# Altium PCB 整板_大板_one_EDA.PcbDoc (part 3 of 4)
Units mil, origin at the board's own origin, x right, y up, seen from the top; angles counter-clockwise.
Board outline 19488.19 x 7322.83 mil, 2 copper layers (Top Layer, Bottom Layer); 297 components, 275 nets, 1813 pads, 741 vias.
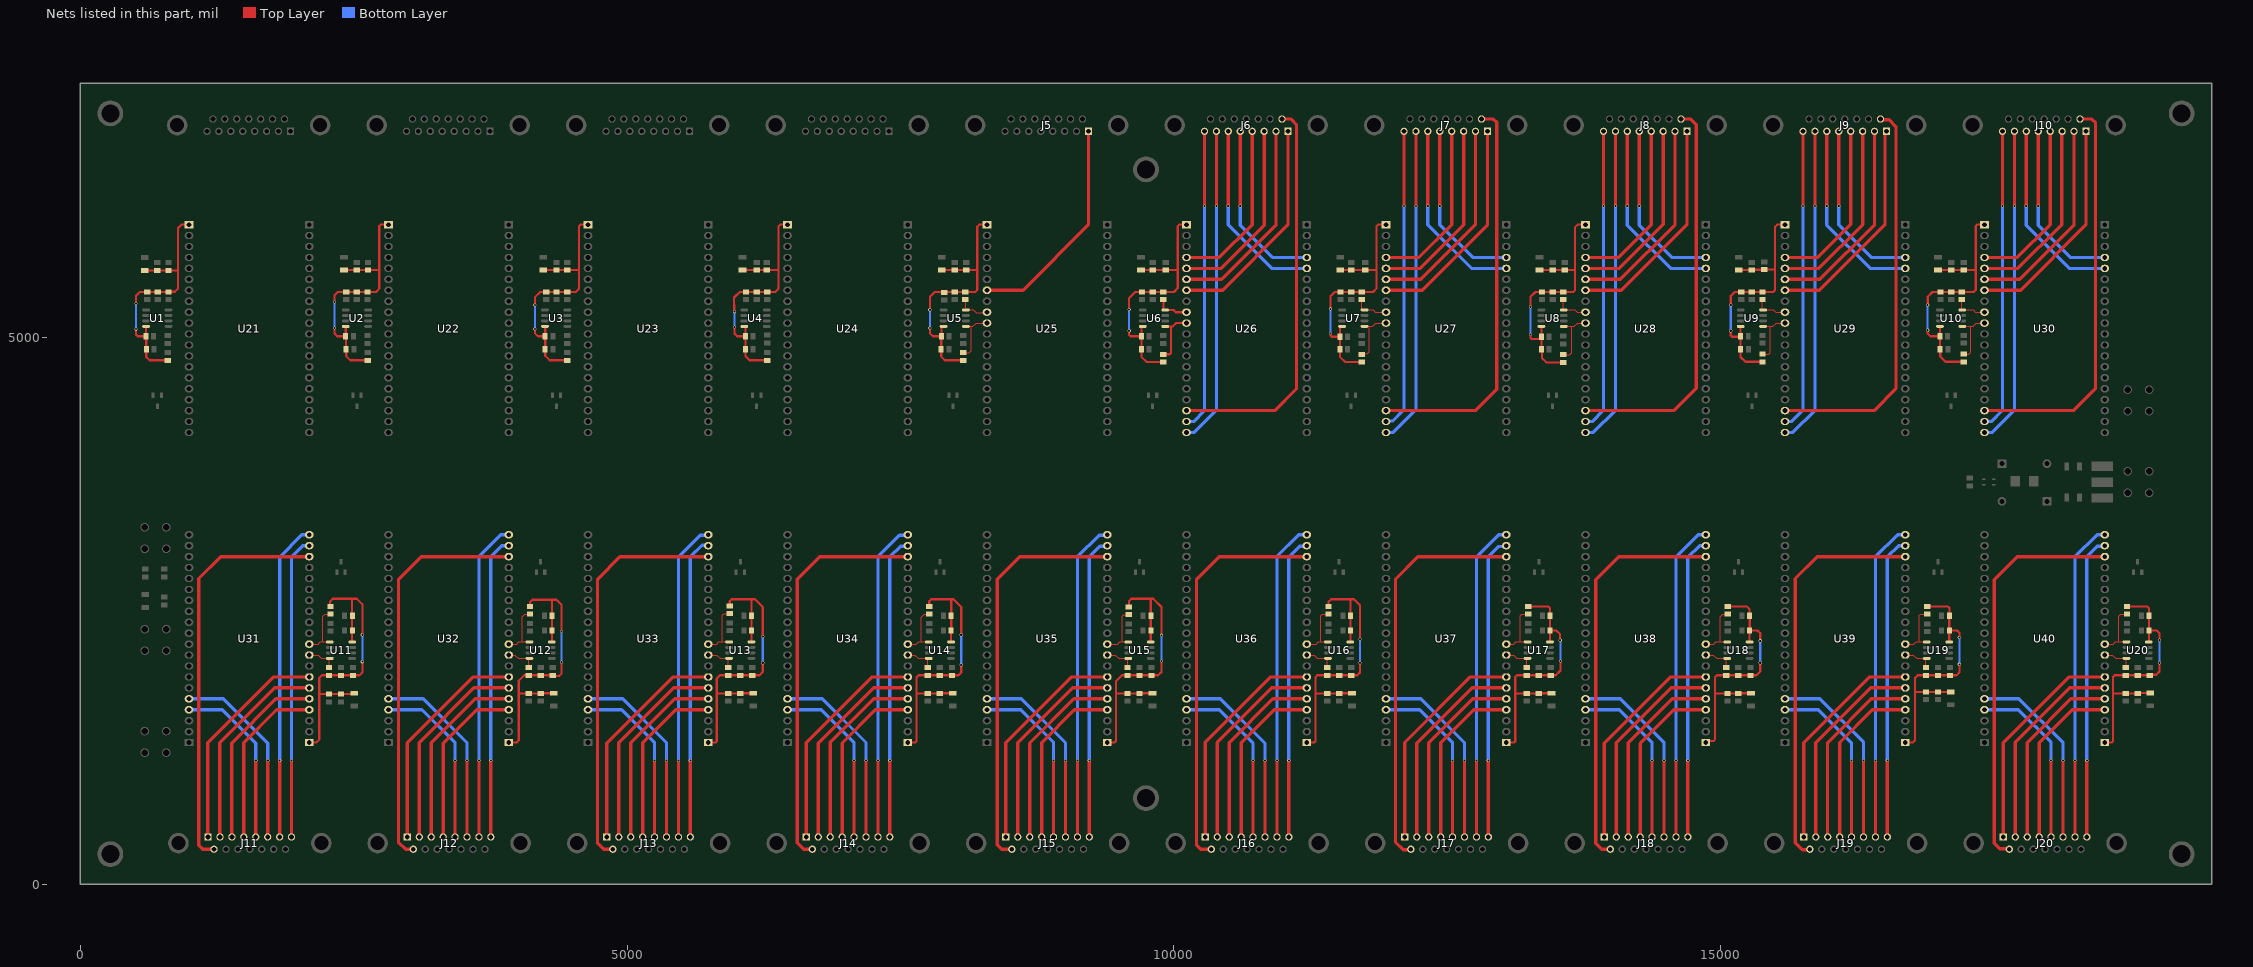
[diagram p3: the nets of this part, all layers, seen from the top]

## Via types
v1: diameter 25, hole 20, Top Layer to Bottom Layer, 458 vias
v2: diameter 30, hole 20, Top Layer to Bottom Layer, 281 vias
v3: diameter 40, hole 25, Top Layer to Bottom Layer, 1 vias
v4: diameter 25, hole 15, Top Layer to Bottom Layer, 1 vias

## Nets (pads, with @x,y where several pads share a name; then routed paths per layer and width w, separated by ;. In a path a pad name is that pad's centre, name@x,y a point inside that pad or via, vN(x,y) a via of type N, cw(c..) or ccw(c..) an arc to the next point about the centre after c; other vN are vias at no path point) (continued)
U5_P9: J5.1 U25.7 | length 2030.4
  Top Layer w30: U25.7@8290.56,5430 8620,5430 9218.14,6028.14 J5.1@9218.14,6883.19
U5_RX: R15.1 U5.1 U25.10 | length 525.7
  Top Layer w10: R15.1@8072.11,4860.04 8129.96,4860.04 8145,4875.08 8145,5100 ; U5.1@8081.36,5100 8145,5100 ; U25.10@8290.56,5130 8190,5130 8160,5100 8145,5100
U5_TX: R13.1 U5.4 U25.9 | length 310.8
  Top Layer w10: R13.1@8076.11,5344.96 8095,5326.07 U5.4@8095,5263.64 ; U5.4@8081.36,5250 U5.4@8097.99,5250 8165,5250 8190,5225 8285.56,5225 U25.9@8290.56,5230
U6_P1: J6.9 U26.18 | length 3656.6
  Top Layer w30: U26.18@10114.44,4330 10920,4330 11120,4530 11120,6945 11070,6995 J6.9@10987.5,6995
U6_P2: J6.8 U26.19 | length 2759.6
  Top Layer w30: v2(10278.64,6200.92) J6.8@10278.64,6883.19
  Bottom Layer w30: U26.19@10114.44,4230 10180,4230 10278.64,4328.64 v2(10278.64,6200.92)
U6_P3: J6.7 U26.20 | length 2907.7
  Top Layer w30: v2(10387.7,6200.92) J6.7@10387.7,6883.19
  Bottom Layer w30: U26.20@10114.44,4130 10185,4130 10387.7,4332.7 v2(10387.7,6200.92)
U6_P4: J6.6 U26.36 | length 1737.6
  Top Layer w30: v2(10496.75,6200.92) J6.6@10496.75,6883.19
  Bottom Layer w30: v2(10496.75,6200.92) 10496.75,6028.25 10895,5630 U26.36@11214.44,5630
U6_P5: J6.5 U26.37 | length 1589.5
  Top Layer w30: v2(10605.81,6200.92) J6.5@10605.81,6883.19
  Bottom Layer w30: v2(10605.81,6200.92) 10605.81,6024.19 10900,5730 U26.37@11214.44,5730
U6_P6: J6.4 U26.4 | length 1578
  Top Layer w30: U26.4@10114.44,5730 10415,5730 10714.86,6029.86 J6.4@10714.86,6883.19
U6_P7: J6.3 U26.5 | length 1731.9
  Top Layer w30: U26.5@10114.44,5630 10430,5630 10823.92,6023.92 J6.3@10823.92,6883.19
U6_P8: J6.2 U26.6 | length 1880
  Top Layer w30: U26.6@10114.44,5530 10435,5530 10932.97,6027.97 J6.2@10932.97,6883.19
U6_P9: J6.1 U26.7 | length 2031
  Top Layer w30: U26.7@10114.44,5430 10445,5430 11042.03,6027.03 J6.1@11042.03,6883.19
U6_RX: R28.1 U6.1 U26.10 | length 539.4
  Top Layer w20: R28.1@9902.11,4845.04 9961.05,4845.04 9972.76,4856.76 9972.76,5097.24 9970,5100 ; U6.1@9907.36,5100 U6.1@9919.86,5100 9970,5100 ; U26.10@10114.44,5130 10020,5130 9990,5100 9970,5100
U6_TX: R26.1 U6.4 U26.9 | length 312.5
  Top Layer w20: R26.1@9902.11,5344.96 9904.74,5342.33 9904.74,5252.63 9907.36,5250 9995,5250 10015,5230 U26.9@10114.44,5230
U7_P1: J7.9 U27.18 | length 3683.5
  Top Layer w30: U27.18@11938.33,4330 12755,4330 12950,4525 12950,6965 12920,6995 J7.9@12811.39,6995
U7_P2: J7.8 U27.19 | length 2754.4
  Top Layer w30: v2(12102.53,6200.92) J7.8@12102.53,6883.19
  Bottom Layer w30: U27.19@11938.33,4230 11943.33,4235 12000,4235 12102.53,4337.53 v2(12102.53,6200.92)
U7_P3: J7.7 U27.20 | length 2905.4
  Top Layer w30: v2(12211.59,6200.92) J7.7@12211.59,6883.19
  Bottom Layer w30: U27.20@11938.33,4130 12005,4130 12211.59,4336.59 v2(12211.59,6200.92)
U7_P4: J7.6 U27.36 | length 1736.9
  Top Layer w30: v2(12320.64,6200.92) J7.6@12320.64,6883.19
  Bottom Layer w30: v2(12320.64,6200.92) 12320.64,6029.36 12720,5630 U27.36@13038.33,5630
U7_P5: J7.5 U27.37 | length 1585.9
  Top Layer w30: v2(12429.7,6200.92) J7.5@12429.7,6883.19
  Bottom Layer w30: v2(12429.7,6200.92) 12429.7,6030.3 12730,5730 U27.37@13038.33,5730
U7_P6: J7.4 U27.4 | length 1578.6
  Top Layer w30: U27.4@11938.33,5730 12240,5730 12538.75,6028.75 J7.4@12538.75,6883.19
U7_P7: J7.3 U27.5 | length 1729.6
  Top Layer w30: U27.5@11938.33,5630 12250,5630 12647.81,6027.81 J7.3@12647.81,6883.19
U7_P8: J7.2 U27.6 | length 1877.7
  Top Layer w30: U27.6@11938.33,5530 12255,5530 12756.86,6031.86 J7.2@12756.86,6883.19
U7_P9: J7.1 U27.7 | length 2031.7
  Top Layer w30: U27.7@11938.33,5430 12270,5430 12865.92,6025.92 J7.1@12865.92,6883.19
U7_RX: R31.1 U7.1 U27.10 | length 538.7
  Top Layer w10: R31.1@11717.11,4845.04 11722.07,4850 11765,4850 11785,4870 11785,5095 11790,5100 ; U7.1@11722.36,5100 U7.1@11741.74,5100 11790,5100 ; U27.10@11938.33,5130 11845,5130 11815,5100 11790,5100
U7_TX: R29.1 U7.4 U27.9 | length 324.3
  Top Layer w10: R29.1@11717.11,5344.96 11717.11,5250.25 11819.75,5250.25 11840,5230 U27.9@11938.33,5230
U8_P1: J8.9 U28.18 | length 3668.1
  Top Layer w30: U28.18@13762.22,4330 14570,4330 14775,4535 14775,6945 14725,6995 J8.9@14635.28,6995
U8_P2: J8.8 U28.19 | length 2758
  Top Layer w30: v2(13926.42,6200.92) J8.8@13926.42,6883.19
  Bottom Layer w30: U28.19@13762.22,4230 13825,4230 13926.42,4331.42 v2(13926.42,6200.92)
U8_P3: J8.7 U28.20 | length 2909
  Top Layer w30: v2(14035.47,6200.92) J8.7@14035.47,6883.19
  Bottom Layer w30: U28.20@13762.22,4130 13835,4130 14035.47,4330.47 v2(14035.47,6200.92)
U8_P4: J8.6 U28.36 | length 1739.2
  Top Layer w30: v2(14144.53,6200.92) J8.6@14144.53,6883.19
  Bottom Layer w30: v2(14144.53,6200.92) 14144.53,6025.47 14540,5630 U28.36@14862.22,5630
U8_P5: J8.5 U28.37 | length 1588.2
  Top Layer w30: v2(14253.58,6200.92) J8.5@14253.58,6883.19
  Bottom Layer w30: v2(14253.58,6200.92) 14253.58,6026.42 14550,5730 U28.37@14862.22,5730
U8_P6: J8.4 U28.4 | length 1579.3
  Top Layer w30: U28.4@13762.22,5730 14065,5730 14362.64,6027.64 J8.4@14362.64,6883.19
U8_P7: J8.3 U28.5 | length 1727.4
  Top Layer w30: U28.5@13762.22,5630 14070,5630 14471.69,6031.69 J8.3@14471.69,6883.19
U8_P8: J8.2 U28.6 | length 1878.4
  Top Layer w30: U28.6@13762.22,5530 14080,5530 14580.75,6030.75 J8.2@14580.75,6883.19
U8_P9: J8.1 U28.7 | length 2029.4
  Top Layer w30: U28.7@13762.22,5430 14090,5430 14689.81,6029.81 J8.1@14689.81,6883.19
U8_RX: R34.1 U8.1 U28.10 | length 535.5
  Top Layer w10: R34.1@13558.36,4841.06 13616.06,4841.06 13635,4860 13635,5100 ; U8.1@13563.61,5100 13635,5100 ; U28.10@13762.22,5130 13690,5130 13660,5100 13635,5100
U8_TX: R32.1 U8.4 U28.9 | length 304
  Top Layer w10: R32.1@13558.36,5344.96 13558.36,5255.25 U8.4@13563.61,5250 13665,5250 13685,5230 U28.9@13762.22,5230
U9_P1: J9.9 U29.18 | length 3661.6
  Top Layer w30: U29.18@15586.11,4330 16400,4330 16600,4530 16600,6925 16536.99,6988.01 16466.16,6988.01 J9.9@16459.17,6995
U9_P2: J9.8 U29.19 | length 2755.7
  Top Layer w30: v2(15750.31,6200.92) J9.8@15750.31,6883.19
  Bottom Layer w30: U29.19@15586.11,4230 15645,4230 15750.31,4335.31 v2(15750.31,6200.92)
U9_P3: J9.7 U29.20 | length 2908.9
  Top Layer w30: v2(15859.36,6200.92) J9.7@15859.36,6883.19
  Bottom Layer w30: U29.20@15586.11,4130 15658.73,4130 15859.36,4330.64 v2(15859.36,6200.92)
U9_P4: J9.6 U29.36 | length 1738.6
  Top Layer w30: v2(15968.42,6200.92) J9.6@15968.42,6883.19
  Bottom Layer w30: v2(15968.42,6200.92) 15968.42,6026.58 16365,5630 U29.36@16686.11,5630
U9_P5: J9.5 U29.37 | length 1587.5
  Top Layer w30: v2(16077.47,6200.92) J9.5@16077.47,6883.19
  Bottom Layer w30: v2(16077.47,6200.92) 16077.47,6027.53 16375,5730 U29.37@16686.11,5730
U9_P6: J9.4 U29.4 | length 1577
  Top Layer w30: U29.4@15586.11,5730 15885,5730 16186.53,6031.53 J9.4@16186.53,6883.19
U9_P7: J9.3 U29.5 | length 1728
  Top Layer w30: U29.5@15586.11,5630 15895,5630 16295.58,6030.58 J9.3@16295.58,6883.19
U9_P8: J9.2 U29.6 | length 1879
  Top Layer w30: U29.6@15586.11,5530 15905,5530 16404.64,6029.64 J9.2@16404.64,6883.19
U9_P9: J9.1 U29.7 | length 2021.3
  Top Layer w30: U29.7@15586.11,5430 15900,5430 16500,6030 16500,6869.49 J9.1@16513.69,6883.19
U9_RX: R37.1 U9.1 U29.10 | length 528.6
  Top Layer w10: R37.1@15380.24,4846.06 15436.06,4846.06 15450,4860 15450,5100 ; U9.1@15385.49,5100 15450,5100 ; U29.10@15586.11,5130 15505,5130 15475,5100 15450,5100
U9_TX: R35.1 U9.4 U29.9 | length 306
  Top Layer w10: R35.1@15380.24,5344.96 15380.24,5255.25 U9.4@15385.49,5250 15480,5250 15500,5230 U29.9@15586.11,5230
U10_P1: J10.9 U30.18 | length 3681.4
  Top Layer w30: U30.18@17410,4330 18220,4330 18425,4535 18425,6960 18390,6995 J10.9@18283.06,6995
U10_P2: J10.8 U30.19 | length 2758.3
  Top Layer w30: v2(17574.2,6200.92) J10.8@17574.2,6883.19
  Bottom Layer w30: U30.19@17410,4230 17473.39,4230 17574.2,4330.8 v2(17574.2,6200.92)
U10_P3: J10.7 U30.20 | length 2907.4
  Top Layer w30: v2(17683.25,6200.92) J10.7@17683.25,6883.19
  Bottom Layer w30: U30.20@17410,4130 17480,4130 17683.25,4333.25 v2(17683.25,6200.92)
U10_P4: J10.6 U30.36 | length 1740.8
  Top Layer w30: v2(17792.31,6200.92) J10.6@17792.31,6883.19
  Bottom Layer w30: v2(17792.31,6200.92) 17792.31,6022.69 18185,5630 U30.36@18510,5630
U10_P5: J10.5 U30.37 | length 1589.8
  Top Layer w30: v2(17901.36,6200.92) J10.5@17901.36,6883.19
  Bottom Layer w30: v2(17901.36,6200.92) 17901.36,6023.64 18195,5730 U30.37@18510,5730
U10_P6: J10.4 U30.4 | length 1577.6
  Top Layer w30: U30.4@17410,5730 17710,5730 18010.42,6030.42 J10.4@18010.42,6883.19
U10_P7: J10.3 U30.5 | length 1725.7
  Top Layer w30: U30.5@17410,5630 17715,5630 18115,6030 18115,6878.72 J10.3@18119.47,6883.19
U10_P8: J10.2 U30.6 | length 1879.7
  Top Layer w30: U30.6@17410,5530 17730,5530 18228.53,6028.53 J10.2@18228.53,6883.19
U10_P9: J10.1 U30.7 | length 2030.7
  Top Layer w30: U30.7@17410,5430 17740,5430 18337.58,6027.58 J10.1@18337.58,6883.19
U10_RX: R40.1 U10.1 U30.10 | length 522.9
  Top Layer w10: U10.1@17207.36,5100 17285,5100 ; R40.1@17220,4846.06 17266.06,4846.06 17285,4865 17285,5100 ; U30.10@17410,5130 17335,5130 17305,5100 17285,5100
U10_TX: R38.1 U10.4 U30.9 | length 308.1
  Top Layer w10: R38.1@17202.11,5344.96 17202.11,5255.25 U10.4@17207.36,5250 17305,5250 17325,5230 U30.9@17410,5230
U11_P1: J11.9 U31.18 | length 3684.3
  Top Layer w30: J11.9@1221.94,320 1120,320 1085,355 1085,2795 1285,2995 U31.18@2095,2995
U11_P2: J11.8 U31.19 | length 2765.6
  Top Layer w30: J11.8@1932.64,431.81 v2(1932.64,1130.86)
  Bottom Layer w30: v2(1932.64,1130.86) 1932.64,2992.64 2035,3095 U31.19@2095,3095
U11_P3: J11.7 U31.20 | length 2915.4
  Top Layer w30: J11.7@1823.58,431.81 v2(1823.58,1130.86)
  Bottom Layer w30: v2(1823.58,1130.86) 1823.58,2991.42 2027.16,3195 U31.20@2095,3195
U11_P4: J11.6 U31.36 | length 1745.7
  Top Layer w30: J11.6@1714.53,431.81 v2(1714.53,1130.86)
  Bottom Layer w30: U31.36@995,1695 1310,1695 1714.53,1290.47 v2(1714.53,1130.86)
U11_P5: J11.5 U31.37 | length 1594.7
  Top Layer w30: J11.5@1605.47,431.81 v2(1605.47,1130.86)
  Bottom Layer w30: U31.37@995,1595 1300,1595 1605.47,1289.53 v2(1605.47,1130.86)
U11_P6: J11.4 U31.4 | length 1587.6
  Top Layer w30: J11.4@1494.58,431.81 1494.58,1294.58 1795,1595 U31.4@2095,1595
U11_P7: J11.3 U31.5 | length 1735.7
  Top Layer w30: J11.3@1385.53,431.81 1385.53,1290.53 1790,1695 U31.5@2095,1695
U11_P8: J11.2 U31.6 | length 1886.8
  Top Layer w30: J11.2@1276.47,431.81 1276.47,1291.47 1780,1795 U31.6@2095,1795
U11_P9: J11.1 U31.7 | length 2037.8
  Top Layer w30: J11.1@1167.42,431.81 1167.42,1292.42 1770,1895 U31.7@2095,1895
U11_RX: R53.1 U11.1 U31.10 | length 503.5
  Top Layer w10: U31.10@2095,2195 2175,2195 2195,2215 2220,2215 ; U11.1@2282.64,2215 2220,2215 ; R53.1@2285,2469.92 2241.06,2469.92 2220,2448.86 2220,2215
U11_TX: R51.1 U11.4 U31.9 | length 288.1
  Top Layer w10: U31.9@2095,2095 2175,2095 2205,2065 U11.4@2282.64,2065 2275,2057.36 R51.1@2275,1980.08
U12_P1: J12.9 U32.18 | length 3658.6
  Top Layer w30: J12.9@3045.83,320 2975,320 2910,385 2910,395 2910,2785 3120,2995 U32.18@3918.89,2995
U12_P2: J12.8 U32.19 | length 2768.6
  Top Layer w30: J12.8@3754.69,431.81 v2(3754.69,1130.86)
  Bottom Layer w30: v2(3754.69,1130.86) 3754.69,2994.69 3855,3095 U32.19@3918.89,3095
U12_P3: J12.7 U32.20 | length 2918.9
  Top Layer w30: J12.7@3645.64,431.81 v2(3645.64,1130.86)
  Bottom Layer w30: v2(3645.64,1130.86) 3645.64,2994.36 3846.27,3195 U32.20@3918.89,3195
U12_P4: J12.6 U32.36 | length 1745.6
  Top Layer w30: J12.6@3536.58,431.81 v2(3536.58,1130.86)
  Bottom Layer w30: U32.36@2818.89,1695 3135,1695 3536.58,1293.42 v2(3536.58,1130.86)
U12_P5: J12.5 U32.37 | length 1594.6
  Top Layer w30: J12.5@3427.53,431.81 v2(3427.53,1130.86)
  Bottom Layer w30: U32.37@2818.89,1595 3125,1595 3427.53,1292.47 v2(3427.53,1130.86)
U12_P6: J12.4 U32.4 | length 1584
  Top Layer w30: J12.4@3318.47,431.81 3318.47,1288.47 3625,1595 U32.4@3918.89,1595
U12_P7: J12.3 U32.5 | length 1738
  Top Layer w30: J12.3@3209.42,431.81 3209.42,1294.42 3610,1695 U32.5@3918.89,1695
U12_P8: J12.2 U32.6 | length 1889
  Top Layer w30: J12.2@3100.36,431.81 3100.36,1295.36 3600,1795 U32.6@3918.89,1795
U12_P9: J12.1 U32.7 | length 2037.1
  Top Layer w30: J12.1@2991.31,431.81 2991.31,1291.31 3595,1895 U32.7@3918.89,1895
U12_RX: R56.1 U12.1 U32.10 | length 510.2
  Top Layer w10: U32.10@3918.89,2195 3990,2195 4010,2215 4040,2215 ; U12.1@4107.64,2215 4040,2215 ; R56.1@4112.89,2469.92 4064.92,2469.92 4040,2445 4040,2215
U12_TX: R54.1 U12.4 U32.9 | length 289.3
  Top Layer w10: U32.9@3918.89,2095 3975,2095 4005,2065 U12.4@4107.64,2065 4100,2057.36 R54.1@4100,1980.04
U13_P1: J13.9 U33.18 | length 3675.2
  Top Layer w30: J13.9@4869.72,320 4785,320 4730,375 4730,2790 4935,2995 U33.18@5742.78,2995
U13_P2: J13.8 U33.19 | length 2772.1
  Top Layer w30: J13.8@5578.58,431.81 v2(5578.58,1130.86)
  Bottom Layer w30: v2(5578.58,1130.86) 5578.58,2993.58 5685,3100 5737.78,3100 U33.19@5742.78,3095
U13_P3: J13.7 U33.20 | length 2916.6
  Top Layer w30: J13.7@5469.52,431.81 v2(5469.52,1130.86)
  Bottom Layer w30: v2(5469.52,1130.86) 5469.52,2990.48 5669.05,3190 5737.78,3190 U33.20@5742.78,3195
U13_P4: J13.6 U33.36 | length 1746.3
  Top Layer w30: J13.6@5360.47,431.81 v2(5360.47,1130.86)
  Bottom Layer w30: U33.36@4642.78,1695 4960,1695 5360.47,1294.53 v2(5360.47,1130.86)
U13_P5: J13.5 U33.37 | length 1595.3
  Top Layer w30: J13.5@5251.41,431.81 v2(5251.41,1130.86)
  Bottom Layer w30: U33.37@4642.78,1595 4950,1595 5251.41,1293.59 v2(5251.41,1130.86)
U13_P6: J13.4 U33.4 | length 1586.3
  Top Layer w30: J13.4@5142.36,431.81 5142.36,1292.36 5445,1595 U33.4@5742.78,1595
U13_P7: J13.3 U33.5 | length 1737.4
  Top Layer w30: J13.3@5033.3,431.81 5033.3,1293.3 5435,1695 U33.5@5742.78,1695
U13_P8: J13.2 U33.6 | length 1888.4
  Top Layer w30: J13.2@4924.25,431.81 4924.25,1294.25 5425,1795 U33.6@5742.78,1795
U13_P9: J13.1 U33.7 | length 2036.5
  Top Layer w30: J13.1@4815.19,431.81 4815.19,1290.19 5420,1895 U33.7@5742.78,1895
U13_RX: R59.1 U13.1 U33.10 | length 517.2
  Top Layer w10: U33.10@5742.78,2195 5820,2195 5840,2215 5870,2215 ; U13.1@5932.64,2215 5870,2215 ; R59.1@5937.89,2474.92 5884.92,2474.92 5870,2460 5870,2215
U13_TX: R57.1 U13.4 U33.9 | length 290.4
  Top Layer w10: U33.9@5742.78,2095 5820,2095 5850,2065 U13.4@5932.64,2065 5925,2057.36 R57.1@5925,1980.04
U14_P1: J14.9 U34.18 | length 3670
  Top Layer w30: J14.9@6693.61,320 6615,320 6555,380 6555,2790 6760,2995 U34.18@7566.67,2995
U14_P2: J14.8 U34.19 | length 2767.4
  Top Layer w30: J14.8@7402.47,431.81 v2(7402.47,1130.86)
  Bottom Layer w30: v2(7402.47,1130.86) 7402.47,2992.53 7499.94,3090 7561.67,3090 U34.19@7566.67,3095
U14_P3: J14.7 U34.20 | length 2918.4
  Top Layer w30: J14.7@7293.41,431.81 v2(7293.41,1130.86)
  Bottom Layer w30: v2(7293.41,1130.86) 7293.41,2993.41 7490,3190 7561.67,3190 U34.20@7566.67,3195
U14_P4: J14.6 U34.36 | length 1746.9
  Top Layer w30: J14.6@7184.36,431.81 v2(7184.36,1130.86)
  Bottom Layer w30: U34.36@6466.67,1695 6785,1695 7184.36,1295.64 v2(7184.36,1130.86)
U14_P5: J14.5 U34.37 | length 1595.9
  Top Layer w30: J14.5@7075.3,431.81 v2(7075.3,1130.86)
  Bottom Layer w30: U34.37@6466.67,1595 6775,1595 7075.3,1294.7 v2(7075.3,1130.86)
U14_P6: J14.4 U34.4 | length 1585.7
  Top Layer w30: J14.4@6966.25,431.81 6966.25,1291.25 7270,1595 U34.4@7566.67,1595
U14_P7: J14.3 U34.5 | length 1739.6
  Top Layer w30: J14.3@6857.19,431.81 6857.19,1297.19 7255,1695 U34.5@7566.67,1695
U14_P8: J14.2 U34.6 | length 1884.8
  Top Layer w30: J14.2@6748.14,431.81 6748.14,1288.14 7255,1795 U34.6@7566.67,1795
U14_P9: J14.1 U34.7 | length 2038.8
  Top Layer w30: J14.1@6639.08,431.81 6639.08,1294.08 7240,1895 U34.7@7566.67,1895
U14_RX: R62.1 U14.1 U34.10 | length 510.1
  Top Layer w10: U34.10@7566.67,2195 7645,2195 7665,2215 7690,2215 ; U14.1@7757.64,2215 7690,2215 ; R62.1@7762.89,2469.92 7718.95,2469.92 7690,2440.97 7690,2215
U14_TX: R60.1 U14.4 U34.9 | length 291.5
  Top Layer w10: U34.9@7566.67,2095 7630,2095 7660,2065 U14.4@7757.64,2065 7750,2057.36 R60.1@7750,1980.04
U15_P1: J15.9 U35.18 | length 3669.5
  Top Layer w30: J15.9@8517.5,320 8425,320 8385,360 8385,2790 8590,2995 U35.18@9390.56,2995
U15_P2: J15.8 U35.19 | length 2768
  Top Layer w30: J15.8@9226.36,431.81 v2(9226.36,1130.86)
  Bottom Layer w30: v2(9226.36,1130.86) 9226.36,2993.64 9322.71,3090 9385.56,3090 U35.19@9390.56,3095
U15_P3: J15.7 U35.20 | length 2917.9
  Top Layer w30: J15.7@9117.3,431.81 v2(9117.3,1130.86)
  Bottom Layer w30: v2(9117.3,1130.86) 9117.3,2992.7 9314.6,3190 9385.56,3190 U35.20@9390.56,3195
U15_P4: J15.6 U35.36 | length 1744.7
  Top Layer w30: J15.6@9008.25,431.81 v2(9008.25,1130.86)
  Bottom Layer w30: U35.36@8290.56,1695 8605,1695 9008.25,1291.75 v2(9008.25,1130.86)
U15_P5: J15.5 U35.37 | length 1596.6
  Top Layer w30: J15.5@8899.19,431.81 v2(8899.19,1130.86)
  Bottom Layer w30: U35.37@8290.56,1595 8600,1595 8899.19,1295.81 v2(8899.19,1130.86)
U15_P6: J15.4 U35.4 | length 1588
  Top Layer w30: J15.4@8790.14,431.81 8790.14,1295.14 9090,1595 U35.4@9390.56,1595
U15_P7: J15.3 U35.5 | length 1736.1
  Top Layer w30: J15.3@8681.08,431.81 8681.08,1291.08 9085,1695 U35.5@9390.56,1695
U15_P8: J15.2 U35.6 | length 1887.1
  Top Layer w30: J15.2@8572.03,431.81 8572.03,1292.03 9075,1795 U35.6@9390.56,1795
U15_P9: J15.1 U35.7 | length 2038.1
  Top Layer w30: J15.1@8462.97,431.81 8462.97,1292.97 9065,1895 U35.7@9390.56,1895
U15_RX: R65.1 U15.1 U35.10 | length 504.4
  Top Layer w10: U35.10@9390.56,2195 9485,2195 9505,2215 9525,2215 ; U15.1@9582.64,2215 9525,2215 ; R65.1@9587.89,2464.92 9539.92,2464.92 9525,2450 9525,2215
U15_TX: R63.1 U15.4 U35.9 | length 292.6
  Top Layer w10: U35.9@9390.56,2095 9465,2095 9495,2065 U15.4@9582.64,2065 9575,2057.36 R63.1@9575,1980.04
U16_P1: J16.9 U36.18 | length 3674.4
  Top Layer w30: J16.9@10341.39,320 10245,320 10205,360 10205,2785 10415,2995 U36.18@11214.44,2995
U16_P2: J16.8 U36.19 | length 2765.7
  Top Layer w30: J16.8@11050.25,431.81 v2(11050.25,1130.86)
  Bottom Layer w30: v2(11050.25,1130.86) 11050.25,2989.75 11150.49,3090 11209.44,3090 U36.19@11214.44,3095
U16_P3: J16.7 U36.20 | length 2920
  Top Layer w30: J16.7@10941.19,431.81 v2(10941.19,1130.86)
  Bottom Layer w30: v2(10941.19,1130.86) 10941.19,2996.19 11140,3195 U36.20@11214.44,3195
U16_P4: J16.6 U36.36 | length 1742.4
  Top Layer w30: J16.6@10832.14,431.81 v2(10832.14,1130.86)
  Bottom Layer w30: U36.36@10114.44,1695 10425,1695 10832.14,1287.86 v2(10832.14,1130.86)
U16_P5: J16.5 U36.37 | length 1591.4
  Top Layer w30: J16.5@10723.08,431.81 v2(10723.08,1130.86)
  Bottom Layer w30: U36.37@10114.44,1595 10415,1595 10723.08,1286.92 v2(10723.08,1130.86)
U16_P6: J16.4 U36.4 | length 1587.3
  Top Layer w30: J16.4@10614.03,431.81 10614.03,1294.03 10915,1595 U36.4@11214.44,1595
U16_P7: J16.3 U36.5 | length 1738.3
  Top Layer w30: J16.3@10504.97,431.81 10504.97,1294.97 10905,1695 U36.5@11214.44,1695
U16_P8: J16.2 U36.6 | length 1889.4
  Top Layer w30: J16.2@10395.92,431.81 10395.92,1295.92 10895,1795 U36.6@11214.44,1795
U16_P9: J16.1 U36.7 | length 2040.4
  Top Layer w30: J16.1@10286.86,431.81 10286.86,1296.86 10885,1895 U36.7@11214.44,1895
U16_RX: R80.1 U16.1 U36.10 | length 520.6
  Top Layer w10: U36.10@11214.44,2195 11300,2195 11320,2215 11340,2215 ; U16.1@11407.64,2215 11340,2215 ; R80.1@11412.89,2469.96 11354.96,2469.96 11340,2455 11340,2215
U16_TX: R78.1 U16.4 U36.9 | length 293.7
  Top Layer w10: U36.9@11214.44,2095 11280,2095 11310,2065 U16.4@11407.64,2065 11400,2057.36 R78.1@11400,1980.04
U17_P1: J17.9 U37.18 | length 3674.6
  Top Layer w30: J17.9@12165.28,320 12160.28,315 12095,315 12025,385 12025,2790 12230,2995 U37.18@13038.33,2995
U17_P2: J17.8 U37.19 | length 2768.3
  Top Layer w30: J17.8@12874.14,431.81 v2(12874.14,1130.86)
  Bottom Layer w30: v2(12874.14,1130.86) 12874.14,2994.14 12967.93,3087.93 13031.27,3087.93 U37.19@13038.33,3095
U17_P3: J17.7 U37.20 | length 2916.4
  Top Layer w30: J17.7@12765.08,431.81 v2(12765.08,1130.86)
  Bottom Layer w30: v2(12765.08,1130.86) 12765.08,2990.08 12970,3195 U37.20@13038.33,3195
U17_P4: J17.6 U37.36 | length 1746
  Top Layer w30: J17.6@12656.02,431.81 v2(12656.02,1130.86)
  Bottom Layer w30: U37.36@11938.33,1695 12255,1695 12656.02,1293.98 v2(12656.02,1130.86)
U17_P5: J17.5 U37.37 | length 1594.9
  Top Layer w30: J17.5@12546.97,431.81 v2(12546.97,1130.86)
  Bottom Layer w30: U37.37@11938.33,1595 12245,1595 12546.97,1293.03 v2(12546.97,1130.86)
U17_P6: J17.4 U37.4 | length 1586.6
  Top Layer w30: J17.4@12437.91,431.81 12437.91,1292.91 12740,1595 U37.4@13038.33,1595
U17_P7: J17.3 U37.5 | length 1737.7
  Top Layer w30: J17.3@12328.86,431.81 12328.86,1293.86 12730,1695 U37.5@13038.33,1695
U17_P8: J17.2 U37.6 | length 1885.8
  Top Layer w30: J17.2@12219.8,431.81 12219.8,1289.8 12725,1795 U37.6@13038.33,1795
U17_P9: J17.1 U37.7 | length 2039.7
  Top Layer w30: J17.1@12110.75,431.81 12110.75,1295.75 12710,1895 U37.7@13038.33,1895
U17_RX: R83.1 U17.1 U37.10 | length 521.7
  Top Layer w10: U37.10@13038.33,2195 13105,2195 13125,2215 13165,2215 ; U17.1@13232.64,2215 13165,2215 ; R83.1@13237.89,2469.96 13179.96,2469.96 13165,2455 13165,2215
U17_TX: R81.1 U17.4 U37.9 | length 294.9
  Top Layer w10: U37.9@13038.33,2095 13105,2095 13135,2065 U17.4@13232.64,2065 13225,2057.36 R81.1@13225,1980.04